# KiCad board omodri_laas.kicad_pcb (continued)
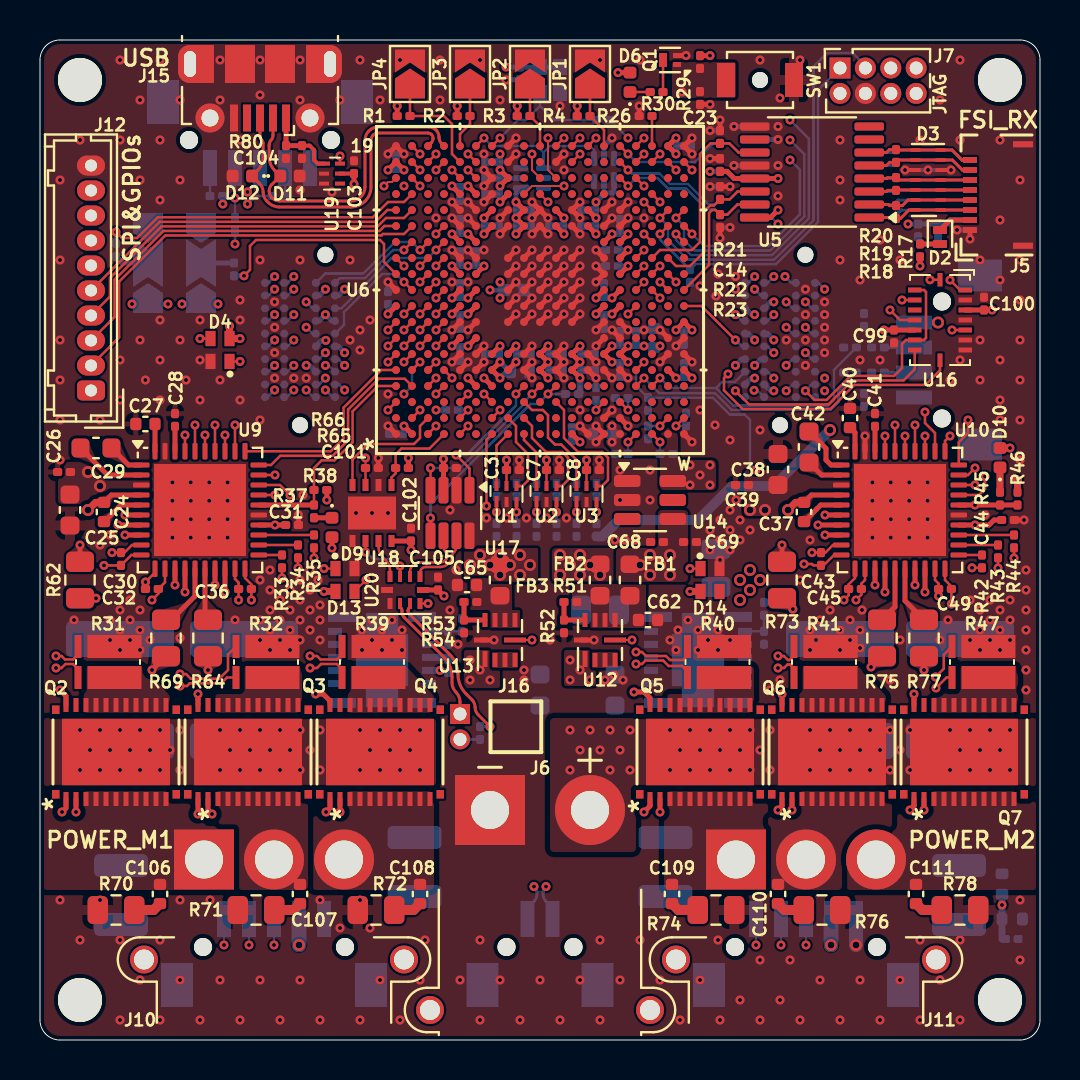
[diagram p0: board, top side]
## Routing (per net, layer and track width the routed paths; a pad name or vN(x,y) marks a point on that pad's centre or on a via; arc(x,y) is an arc through that point) (continued)
/OMODRI_GPIO/ESC_LED_LINK1_ACTIVE: length 14.8
  Top w0.125: U6.F17 v1(21.4,43.5)
  In4_sigCu w0.102: v1(21.4,43.5) 21.2,43.3 21.2,43.1 21,42.9 21,42.5 20.8,42.3 20.35,42.3 18.55,40.5 17.82,40.5 16.67,39.35 16.67,38.26 15.51,37.11 13.69,37.11 13.5,37.3 13.1,37.3 12.9,37.1 12.17,37.1 v1(11.73,37.54)
  Bottom w0.125: v1(11.73,37.54) 11.41,37.22 J9.A02
/OMODRI_GPIO/ESC_LED_RUN: length 12.8
  Top w0.125: U6.D18 v1(19.8,43.5)
  In4_sigCu w0.102: v1(19.8,43.5) 19.8,43.09 19.79,43.09 19.79,42.61 18.3,41.11 17.56,41.11 16.05,39.61 16.05,38.51 15.92,38.38 13.19,38.38 12.97,38.6 12.16,38.6 v1(11.73,38.17)
  Bottom w0.125: v1(11.73,38.17) 11.41,37.86 J9.A01
/OMODRI_GPIO/ESC_MDIO_CLK: length 6.8
  Top w0.125: U6.D13 v1(19.8,39.5)
  Bottom w0.125: v1(19.8,39.5) 19.4,39.1 17.58,39.1 15.07,36.59 J9.D03
/OMODRI_GPIO/ESC_MDIO_DATA: length 7.7
  Top w0.125: U6.A12 v1(18.2,38.7)
  In2_sig.Cu w0.102: v1(12.69,36.27) 13.36,36.27 14.19,37.1 15.51,37.1 16.92,38.5 18,38.5 v1(18.2,38.7)
  Bottom w0.125: v1(12.69,36.27) 12.37,35.95 J9.B04
/OMODRI_GPIO/ESC_PHY0_LINKSTATUS: length 9.7
  Top w0.125: v1(19.8,40.3) U6.D14
  In4_sigCu w0.102: v1(13.31,36.91) 15.6,36.91 16.87,38.18 16.87,39.27 17.9,40.3 v1(19.8,40.3)
  Bottom w0.125: v1(13.31,36.91) 13.63,36.59 J9.C03
/OMODRI_GPIO/ESC_PHY1_LINKSTATUS: length 23.4
  Top w0.125: U6.C18 v1(19.8,44.3)
  In4_sigCu w0.102: v1(19.8,44.3) 20.2,44.7 24.2,44.7 25,45.5 29.6,45.5 29.8,45.3 29.8,43.7 30.99,42.51 31.41,42.51 32.69,41.23 34.87,41.23 35.15,40.95 35.15,37.92 v1(34.77,37.54)
  Bottom w0.125: v1(34.77,37.54) 35.09,37.22 J8.A02
/OMODRI_GPIO/ESC_RX0_CLK: length 5.8
  Top w0.125: U6.A8 v1(17.4,35.5)
  In4_sigCu w0.102: v1(14.27,33.09) 15.54,33.09 16.8,34.35 16.8,35.2 16.9,35.3 17.2,35.3 v1(17.4,35.5)
  Bottom w0.125: J9.C09 13.95,32.78 v1(14.27,33.09)
/OMODRI_GPIO/ESC_RX0_D0: length 7.6
  Top w0.125: U6.C5 v1(19.8,33.9)
  In4_sigCu w0.102: v1(19.8,33.9) 19.42,33.52 16.82,33.52 15.42,32.12 14.65,32.12 v1(14.27,32.5)
  Bottom w0.125: J9.D10 14.63,32.14 v1(14.27,32.5)
/OMODRI_GPIO/ESC_RX0_D1: length 10.3
  Top w0.125: U6.D5 v1(20.6,33.1)
  In4_sigCu w0.102: v1(12.69,32.5) 13.18,32.01 13.52,32.01 13.81,31.72 15.59,31.72 16.99,33.12 18.87,33.12 19.29,32.7 20.2,32.7 v1(20.6,33.1)
  Bottom w0.125: J9.B10 12.33,32.14 v1(12.69,32.5)
/OMODRI_GPIO/ESC_RX0_D2: length 8.6
  Top w0.125: U6.C4 v1(19.8,33.1)
  In4_sigCu w0.102: v1(19.8,33.1) 19.2,33.1 18.98,33.32 16.91,33.32 15.51,31.92 13.89,31.92 v1(13.31,32.5)
  Bottom w0.125: J9.C10 13.67,32.14 v1(13.31,32.5)
/OMODRI_GPIO/ESC_RX0_D3: length 10.5
  Top w0.125: U6.D4 v1(19.8,32.3)
  In4_sigCu w0.102: v1(19.8,32.3) 19.4,32.3 18.79,32.91 17.08,32.91 15.68,31.51 13.72,31.51 13.43,31.8 12.43,31.8 v1(11.73,32.5)
  Bottom w0.125: J9.A10 11.37,32.14 v1(11.73,32.5)
/OMODRI_GPIO/ESC_RX0_DV: length 7.3
  Top w0.125: U6.D9 v1(19.8,36.3)
  In4_sigCu w0.102: v1(15.23,33.73) 15.88,33.73 16.59,34.44 16.59,35.29 16.7,35.39 16.7,35.4 17.2,35.9 19.4,35.9 v1(19.8,36.3)
  Bottom w0.125: v1(15.23,33.73) 14.91,34.05 J9.D07
/OMODRI_GPIO/ESC_RX0_ERR: length 5.8
  Top w0.125: v1(18.2,35.5) U6.B8
  In4_sigCu w0.102: v1(15.23,32.5) 17,34.27 17,34.92 17.18,35.1 17.6,35.1 17.8,35.3 18,35.3 v1(18.2,35.5)
  Bottom w0.125: v1(15.23,32.5) 14.95,32.78 J9.D09
/OMODRI_GPIO/ESC_RX1_CLK: length 11.8
  Top w0.125: U6.T18 v1(30.2,44.3)
  In4_sigCu w0.102: v1(35.73,37.54) 35.35,37.92 35.35,41.06 34.98,41.43 32.78,41.43 31.49,42.72 31.07,42.72 30.2,43.59 v1(30.2,44.3)
  Bottom w0.125: J8.B02 36.05,37.22 v1(35.73,37.54)
/OMODRI_GPIO/ESC_RX1_D0: length 18
  Top w0.125: U6.N19 v1(27.8,45.1)
  In4_sigCu w0.102: v1(27.8,45.1) 29,43.9 29,38.16 30.65,36.51 32.99,36.51 33.86,35.64 v1(37.31,35.64)
  Bottom w0.125: J8.C05 37.63,35.32 v1(37.31,35.64)
/OMODRI_GPIO/ESC_RX1_D1: length 18.4
  Top w0.125: U6.M19 v1(27,45.1)
  In4_sigCu w0.102: v1(36.69,34.36) 36.47,34.59 34.62,34.59 32.9,36.31 30.57,36.31 28.8,38.08 28.8,39.3 28.2,39.9 28.2,43.9 v1(27,45.1)
  Bottom w0.125: v1(36.69,34.36) 36.37,34.68 J8.B06
/OMODRI_GPIO/ESC_RX1_D2: length 20
  Top w0.125: v1(27,44.3) U6.M18
  In4_sigCu w0.102: v1(38.27,34.36) 37.34,34.36 36.93,33.96 36.45,33.96 36.02,34.39 34.54,34.39 32.82,36.1 30.48,36.1 28.59,37.99 28.59,38.71 28.2,39.1 27.6,39.1 27.4,39.3 27.4,43.9 v1(27,44.3)
  Bottom w0.125: v1(38.27,34.36) 38.59,34.05 J8.D07
/OMODRI_GPIO/ESC_RX1_D3: length 20.6
  Top w0.125: v1(26.2,45.1) U6.L19
  In4_sigCu w0.102: v1(26.2,45.1) 26.6,44.7 26.6,38.5 26.8,38.3 28,38.3 30.4,35.9 32.73,35.9 34.45,34.18 35.81,34.18 36.26,33.73 v1(37.31,33.73)
  Bottom w0.125: J8.C07 37.63,34.05 v1(37.31,33.73)
/OMODRI_GPIO/ESC_RX1_DV: length 14.9
  Top w0.125: U6.T17 v1(30.2,42.7)
  In4_sigCu w0.102: v1(38.27,36.91) 37.57,37.6 36.32,37.6 35.84,37.12 34.66,37.12 34.39,37.38 34.39,38.33 34.94,38.88 34.94,40.87 34.79,41.03 32.61,41.03 31.32,42.31 30.59,42.31 v1(30.2,42.7)
  Bottom w0.125: v1(38.27,36.91) 38.59,36.59 J8.D03
/OMODRI_GPIO/ESC_RX1_ERR: length 11.9
  Top w0.125: U6.T19 v1(30.2,45.1)
  In4_sigCu w0.102: v1(30.2,45.1) 30.6,44.7 30.6,43.48 31.16,42.92 31.58,42.92 32.86,41.64 35.08,41.64 35.55,41.17 35.55,38.87 35.73,38.69 v1(35.73,38.17)
  Bottom w0.125: v1(35.73,38.17) 35.41,37.86 J8.A01
/OMODRI_GPIO/ESC_TX0_CLK: length 5.8
  Top w0.125: U6.B10 v1(18.2,37.9)
  Bottom w0.125: J9.D05 15.2,35.77 15.2,36.4 17.1,38.3 17.8,38.3 v1(18.2,37.9)
/OMODRI_GPIO/ESC_TX0_D0: length 9.6
  Top w0.125: v1(19.8,37.9) U6.C10
  In4_sigCu w0.102: v1(19.8,37.9) 19.6,37.7 19.6,37.5 19.4,37.3 18.97,37.3 18.57,36.89 16.51,36.89 15.05,35.43 13.84,35.43 13.41,35 v1(12.69,35)
  Bottom w0.125: v1(12.69,35) 12.37,34.68 J9.B06
/OMODRI_GPIO/ESC_TX0_D1: length 10.6
  Top w0.125: v1(19.8,37.1) U6.D10
  In2_sig.Cu w0.102: v1(19.8,37.1) 16.7,37.1 15.34,35.74 14.15,35.74 12.91,34.5 12.5,34.5 v1(11.73,33.73)
  Bottom w0.125: J9.A08 11.41,33.41 v1(11.73,33.73)
/OMODRI_GPIO/ESC_TX0_D2: length 6.2
  Top w0.125: U6.B9 v1(18.2,36.3)
  In4_sigCu w0.102: v1(14.27,34.36) 16.59,36.69 17.81,36.69 v1(18.2,36.3)
  Bottom w0.125: v1(14.27,34.36) 13.95,34.05 J9.C07
/OMODRI_GPIO/ESC_TX0_D3: length 9.2
  Top w0.125: U6.C9 v1(19,36.3)
  In2_sig.Cu w0.102: v1(12.69,33.73) 13.06,34.1 13.06,34.36 14.24,35.54 15.44,35.54 16.8,36.9 18.4,36.9 v1(19,36.3)
  Bottom w0.125: J9.B08 12.37,33.41 v1(12.69,33.73)
/OMODRI_GPIO/ESC_TX0_ENA: length 9.3
  Top w0.125: v1(19.8,38.7) U6.D12
  In4_sigCu w0.102: v1(13.31,35.64) 14.96,35.64 16.43,37.1 18.49,37.1 18.91,37.52 19.22,37.52 19.4,37.7 19.4,38.3 v1(19.8,38.7)
  Bottom w0.125: J9.C05 13.63,35.32 v1(13.31,35.64)
/OMODRI_GPIO/ESC_TX1_CLK: length 5.3
  Top w0.125: U6.U10 v1(31,37.1)
  In4_sigCu w0.102: v1(34.77,36.27) 33.8,36.27 33.16,36.92 31.69,36.92 31.51,37.1 v1(31,37.1)
  Bottom w0.125: J8.A04 35.09,35.95 v1(34.77,36.27)
/OMODRI_GPIO/ESC_TX1_D0: length 7.5
  Top w0.125: U6.V10 v1(31,37.9)
  In4_sigCu w0.102: v1(31,37.9) 31.78,37.12 33.24,37.12 33.67,36.69 36.27,36.69 v1(36.69,36.27)
  Bottom w0.125: v1(36.69,36.27) 36.37,35.95 J8.B04
/OMODRI_GPIO/ESC_TX1_D1: length 11.9
  Top w0.125: U6.W18 v1(32.6,43.5)
  In4_sigCu w0.102: v1(39.23,37.54) 38.85,37.92 38.11,37.92 36.17,39.87 36.17,41.42 35.34,42.25 33.11,42.25 32.3,43.06 32.3,43.2 v1(32.6,43.5)
  Bottom w0.125: J8.D01 38.91,37.86 v1(39.23,37.54)
/OMODRI_GPIO/ESC_TX1_D2: length 10.1
  Top w0.125: U6.V18 v1(31.8,43.5)
  In4_sigCu w0.102: v1(37.25,38.17) 35.96,39.46 35.96,41.34 35.96,41.34 35.25,42.05 33.03,42.05 32.1,42.98 32.1,43.2 v1(31.8,43.5)
  Bottom w0.125: J8.C01 37.57,37.86 v1(37.25,38.17)
/OMODRI_GPIO/ESC_TX1_D3: length 11.2
  Top w0.125: v1(31,44.3) U6.U18
  In4_sigCu w0.102: v1(36.69,38.17) 35.76,39.11 35.76,41.25 35.17,41.84 32.94,41.84 31.66,43.12 31.24,43.12 31,43.37 v1(31,44.3)
  Bottom w0.125: v1(36.69,38.17) 36.37,37.86 J8.B01
/OMODRI_GPIO/ESC_TX1_ENA: length 10.8
  Top w0.102: U6.T10 v1(30.2,37.9)
  In4_sigCu w0.102: v1(38.27,35.64) 37.81,36.1 37.16,36.1 36.9,35.84 33.95,35.84 33.07,36.71 30.74,36.71 30.2,37.25 v1(30.2,37.9)
  Bottom w0.125: J8.D05 38.59,35.32 v1(38.27,35.64)
/OMODRI_GPIO/GPIO_SELECT_0: length 3.2
  Top w0.125: 27.5,47.58 R4.2 28.2,45.5 U6.P19
/OMODRI_GPIO/GPIO_SELECT_1: length 3.1
  Top w0.125: U6.K19 25,45.7 R3.2 24.5,47.58
/OMODRI_GPIO/GPIO_SELECT_2: length 3.1
  Top w0.125: U6.E19 21,45.3 21.5,45.8 R2.2 21.5,47.58
/OMODRI_GPIO/GPIO_SELECT_3: length 5.7
  Top w0.125: U6.E18 20.6,44.3 20.6,45.8 20.2,46.2 R1.2 18.5,47.58
/OMODRI_GPIO/IMU_GPIO_INT: length 18.3
  Top w0.125: U6.U16 v1(31,41.9) ; v1(45.5,38) 46,37.5 U16.1
  In2_sig.Cu w0.102: v1(45.5,38) 45.1,38 44.73,37.63 43.05,37.63 39.98,40.7 37.72,40.7 37.33,40.3 36.37,40.3 34.97,41.7 31.2,41.7 v1(31,41.9)
/OMODRI_GPIO/M1_Ia: length 27.6
  Top w0.125: U6.T1 v1(29.4,29.9) ; v1(13.7,24.1) R35.1
  In4_sigCu w0.125: v1(13.7,24.1) 12.34,24.1 10.8,25.64 10.8,28.7 11.2,29.1 14.7,29.1 15.35,29.75 26.25,29.75 26.5,29.5 29,29.5 v1(29.4,29.9)
  Bottom w0.125: C35.1 v1(29.4,29.9)
/OMODRI_GPIO/M1_Ib: length 30
  Top w0.125: U6.W2 v1(31.8,30.7) ; v1(12.9,23.6) R34.1
  In4_sigCu w0.125: v1(31.8,30.7) 31.4,30.3 26.6,30.3 26.27,29.97 15.25,29.97 14.61,29.33 11.11,29.33 10.57,28.79 10.57,25.55 12.25,23.87 12.63,23.87 v1(12.9,23.6)
  Bottom w0.125: C34.1 v1(31.8,30.7)
/OMODRI_GPIO/M1_Ic: length 26.7
  Top w0.125: U6.P3 v1(27.8,31.5) ; v1(12.1,23.1) R33.1
  In4_sigCu w0.125: v1(12.1,23.1) 12.1,23.7 10.35,25.45 10.35,28.89 11.01,29.55 14.51,29.55 15.16,30.2 25.7,30.2 26.6,31.1 27.4,31.1 v1(27.8,31.5)
  Bottom w0.125: 27.8,32.1 v1(27.8,31.5)
/OMODRI_GPIO/M1_PWM1_CHA: length 15.7
  Top w0.125: v1(19,35.5) U6.C8 ; v1(9.75,30.75) U9.32
  In2_sig.Cu w0.102: v1(9.75,30.75) 9.75,30.15 9.88,30.02 13.62,30.02 15.7,32.1 15.7,33.61 16.82,34.73 16.82,35.45 17.27,35.9 18.6,35.9 v1(19,35.5)
/OMODRI_GPIO/M1_PWM1_CHB: length 15.5
  Top w0.125: U6.D8 v1(19.8,35.5) ; U9.33 v1(9.25,30.25)
  In2_sig.Cu w0.102: v1(9.25,30.25) 9.69,29.81 13.7,29.81 15.9,32.02 15.9,33.53 17.02,34.64 17.02,34.85 17.27,35.1 19.4,35.1 v1(19.8,35.5)
/OMODRI_GPIO/M1_PWM2_CHA: length 14.4
  Top w0.102: 17.4,34.71 17.4,34.71
  Top w0.125: U6.A7 17.4,34.71 ; v1(8.75,30.75) U9.34
  In2_sig.Cu w0.102: v1(17.4,34.7) 17.2,34.5 17.17,34.5 16.11,33.44 16.11,31.93 13.79,29.61 9.18,29.61 8.75,30.04 v1(8.75,30.75)
/OMODRI_GPIO/M1_PWM2_CHB: length 14.8
  Top w0.125: U6.B7 v1(18.2,34.7) ; U9.35 v1(8.25,30.25)
  In2_sig.Cu w0.102: v1(18.2,34.7) 17.8,34.3 17.25,34.3 16.31,33.36 16.31,31.85 13.87,29.41 9.09,29.41 8.71,29.79 v1(8.25,30.25)
/OMODRI_GPIO/M1_PWM3_CHA: length 17.7
  Top w0.125: v1(7.75,30.75) U9.36 ; U6.C7 v1(19,34.7)
  In2_sig.Cu w0.102: v1(19,34.7) 18.6,34.3 18.6,33.7 18.4,33.5 16.8,33.5 16.51,33.21 16.51,31.76 13.95,29.2 8.58,29.2 7.75,30.04 v1(7.75,30.75)
/OMODRI_GPIO/M1_PWM3_CHB: length 18
  Top w0.125: U9.37 v1(7.25,30.25) ; U6.D7 v1(19.8,34.7)
  In2_sig.Cu w0.102: v1(7.25,30.25) 8.5,29 14.04,29 16.72,31.68 16.72,33.13 16.88,33.3 19,33.3 19.4,33.7 19.4,34.3 v1(19.8,34.7)
/OMODRI_GPIO/M1_Vbus: length 48
  Top w0.125: U6.T5 v1(30.2,33.9)
  In4_sigCu w0.125: v1(35.8,28.5) 36.2,28.5 36.37,28.67 44.88,28.67 45.25,28.3 45.25,23.65 46.15,22.75 48.5,22.75 48.9,22.35 48.9,16.9 49.3,16.5 49.3,7.95 v1(48.1,6.75)
  Bottom w0.125: v1(35.8,28.5) 35.5,28.8 35.5,31 35.23,31.27 34.49,31.27 33.64,32.12 C19.1 29.8,32.72 U6.T5 v1(30.2,33.9)
  Bottom w0.35: 48.1,5.05 R25.1 v1(48.1,6.75) R24.2
/OMODRI_GPIO/M2_Ia: length 26
  Top w0.125: R44.1 v1(48.7,24.1) ; U6.U1 v1(31,29.9)
  In4_sigCu w0.125: v1(48.7,24.1) 48.7,23.2 48.47,22.97 46.25,22.97 45.48,23.74 45.48,28.39 44.97,28.9 34.08,28.9 33.48,29.5 31.4,29.5 v1(31,29.9)
  Bottom w0.125: C48.1 v1(31,29.9)
/OMODRI_GPIO/M2_Ib: length 24.9
  Top w0.125: R43.1 v1(47.9,23.6) ; v1(31,30.7) U6.V2
  In4_sigCu w0.125: v1(47.9,23.6) 47.5,23.2 46.34,23.2 45.7,23.84 45.7,28.49 45.07,29.13 34.17,29.13 32.2,31.1 U6.V2 v1(31,30.7)
  Bottom w0.125: v1(31,30.7) C47.1
/OMODRI_GPIO/M2_Ic: length 24.7
  Top w0.125: U6.R3 v1(29.4,31.5) ; R42.1 v1(46.6,23.61)
  In4_sigCu w0.125: v1(29.4,31.5) 32.12,31.5 34.27,29.35 45.16,29.35 45.93,28.58 45.93,24.28 v1(46.6,23.61)
  Bottom w0.125: v1(29.4,31.5) C46.1
/OMODRI_GPIO/M2_PWM1_CHA: length 32.8
  Top w0.125: U6.A6 v1(17.4,33.9) ; v1(44.25,31.4) 44.25,30.85 44.75,30.35 U10.32
  In4_sigCu w0.102: v1(17.4,33.9) U6.A6 17.8,34.9 18,35.1 32.79,35.1 33.75,34.14 33.75,32.8 34.5,32.05 43.6,32.05 v1(44.25,31.4)
/OMODRI_GPIO/M2_PWM1_CHB: length 30.4
  Top w0.102: 18.21,33.91 18.19,33.91
  Top w0.125: U10.33 v1(44.25,30.2) ; U6.B6 18.21,33.91
  In4_sigCu w0.102: v1(18.2,33.9) U6.B6 33.3,34.3 33.55,34.05 33.55,32.71 34.41,31.85 43.25,31.85 44.25,30.85 v1(44.25,30.2)
/OMODRI_GPIO/M2_PWM2_CHA: length 24.1
  Top w0.125: U6.G2 v1(23,31.5) ; v1(43.75,30.75) U10.34
  In4_sigCu w0.102: v1(23,31.5) 23.19,31.31 25.15,31.31 26.55,32.7 33.27,32.7 33.39,32.58 34.33,31.64 42.86,31.64 v1(43.75,30.75)
/OMODRI_GPIO/M2_PWM2_CHB: length 25.3
  Top w0.125: v1(22.2,32.3) U6.G3 ; v1(43.25,30.2) U10.35
  In4_sigCu w0.102: v1(43.25,30.2) 43.25,30.96 42.77,31.44 34.25,31.44 33.19,32.5 26.63,32.5 25.24,31.1 22.68,31.1 22.2,31.59 v1(22.2,32.3)
/OMODRI_GPIO/M2_PWM3_CHA: length 28.4
  Top w0.125: v1(19,31.5) U6.B2 ; U10.36 v1(42.75,30.75)
  In4_sigCu w0.102: v1(42.75,30.75) 42.04,30.75 41.55,31.24 38.54,31.24 37.34,30.04 35.36,30.04 33.11,32.29 26.72,32.29 25.32,30.9 22.6,30.9 21.6,31.9 19.4,31.9 v1(19,31.5)
/OMODRI_GPIO/M2_PWM3_CHB: length 26.5
  Top w0.125: U10.37 v1(42.25,30.2) ; U6.C1 v1(19.8,30.7)
  In4_sigCu w0.102: v1(19.8,30.7) 20.2,31.1 22.11,31.1 22.52,30.7 25.41,30.7 26.8,32.09 33.02,32.09 35.27,29.84 37.42,29.84 38.62,31.03 41.42,31.03 v1(42.25,30.2)
/OMODRI_GPIO/WS2812B_CMD_SIMO: length 13.3
  Top w0.102: D4.1 v1(10,33.93)
  Top w0.125: U6.B5 v1(19,33.9)
  In4_sigCu w0.102: v1(18.2,32.3) 17.79,32.71 17.16,32.71 15.76,31.31 13.64,31.31 13.35,31.6 11.95,31.6 11.2,32.35 11.2,32.73 v1(10,33.93)
  Bottom w0.125: v1(18.2,32.3) 18.6,32.7 U6.B5 v1(19,33.9)
/OMODRI_GPIO/~{DBG_SPI_CSn}: length 45.6
  Top w0.125: U6.T9 v1(29.4,36.3)
  In2_sig.Cu w0.102: v1(37.31,32.46) 36.85,32 34.5,32 33.7,32.8 33.7,35.48 33.08,36.1 29.6,36.1 v1(29.4,36.3) 29.2,36.5 29.2,37.6 28.59,38.21 28.59,38.71 28.2,39.1 20.4,39.1 20.2,39.3 20.2,41.7 19.8,42.1 18.8,42.1 v1(18.2,42.7)
  In4_sigCu w0.102: 2.55,39.98 4.38,39.98 4.9,40.5 15.84,40.5 17.84,42.5 18,42.5 v1(18.2,42.7)
  Bottom w0.125: v1(37.31,32.46) 37.63,32.78 J8.C09
/OMODRI_GPIO/~{DRV1_GPIO_CSn}: length 10.5
  Top w0.125: U6.B4 18.24,33.06 16.94,33.06 15.4,31.52 15.4,29.98 14.63,29.21 12.01,29.21 11.55,28.75 U9.30
/OMODRI_GPIO/~{DRV1_GPIO_FAULTn}: length 11.3
  Top w0.125: R37.1 13.7,28.6 14.08,28.98 14.73,28.98 15.63,29.89 15.63,31.43 16.9,32.7 U6.A4
  Top w0.25: U9.26 R37.1
/OMODRI_GPIO/~{DRV2_GPIO_CSn}: length 25.9
  Top w0.125: U10.30 45.94,29.89 46.4,30.35 v1(46.4,31) ; v1(30.2,38.7) U6.T11
  In2_sig.Cu w0.102: v1(46.4,31) 46.4,31.41 45.71,32.1 40.7,32.1 40.2,32.6 40.2,37.62 39.51,38.3 37.95,38.3 37.35,38.9 31.33,38.9 31.16,39.08 30.58,39.08 v1(30.2,38.7)
/OMODRI_GPIO/~{DRV2_GPIO_FAULTn}: length 31.7
  Top w0.125: U6.T12 v1(30.2,39.5)
  Top w0.25: R46.1 R45.1 v1(46.75,26.75) U10.26
  In2_sig.Cu w0.102: v1(30.2,39.5) 31.02,39.5 31.41,39.11 37.43,39.11 38.03,38.51 39.59,38.51 40.4,37.7 40.4,32.7 40.79,32.31 45.79,32.31 46.78,31.32 46.78,29.32 47.63,28.47 47.63,27.63 v1(46.75,26.75)
/OMODRI_GPIO/~{ESC_PHY_RESETn}: length 9.8
  Top w0.125: U6.C12 v1(19,38.7)
  In2_sig.Cu w0.102: v1(19,38.7) 18.6,38.3 17,38.3 15.6,36.9 14.27,36.9 13.44,36.07 13.12,36.07 12.85,35.8 12.5,35.8 12.03,36.27 v1(11.73,36.27)
  Bottom w0.125: v1(11.73,36.27) 11.41,35.95 J9.A04
/OMODRI_GPIO/~{IMU_GPIO_SPI_ACCEL_CSn}: length 16.6
  Top w0.125: U16.14 v1(43.1,37) ; U6.U13 v1(30.2,40.3)
  In2_sig.Cu w0.102: v1(30.2,40.3) 30.6,40.7 32.2,40.7 32.8,41.3 34.8,41.3 36.2,39.9 37.5,39.9 37.89,40.29 39.81,40.29 v1(43.1,37)
/OMODRI_GPIO/~{IMU_GPIO_SPI_GYRO_CSn}: length 20.8
  Top w0.102: U6.U15 30.5,41.6
  Top w0.125: U16.5 v1(45.6,35.5) ; 30.5,41.6 v1(30.2,41.9)
  In2_sig.Cu w0.102: v1(30.2,41.9) U6.U15 34.89,41.5 36.29,40.1 37.41,40.1 37.81,40.5 39.89,40.5 42.97,37.42 43.98,37.42 44.3,37.1 44.3,35.56 44.66,35.2 45.3,35.2 v1(45.6,35.5)
/OMODRI_IMU_DBG/BOOT_0: length 1.7
  Bottom w0.25: JP5.2 R59.1
/OMODRI_IMU_DBG/BOOT_1: length 1.7
  Bottom w0.25: R60.1 4.13,38.85 JP6.2
/OMODRI_IMU_DBG/IMU_SYNC: length 5
  Top w0.125: v1(42.5,36.5) 43,36 U16.12 ; U16.16 v1(44.5,38.01)
  In4_sigCu w0.102: v1(44.5,38.01) 44,37.51 44,36.9 43.6,36.5 v1(42.5,36.5)
  In4_sigCu w0.125: 44.41,38.01 v1(44.5,38.01)
/OMODRI_LED_dbg/M1_Led_status: length 19.1
  Top w0.102: D13.1 v1(14.2,23.57) ; D4.3 v1(8,35.07)
  In2_sig.Cu w0.102: v1(8,35.07) 6.83,33.9 6.83,30.08 8.1,28.8 10.7,28.8 11,28.5 11,25.1 11.4,24.7 13.8,24.7 14.2,24.3 v1(14.2,23.57)
/OMODRI_LED_dbg/M2_Led_Status: length 19.8
  Top w0.102: D14.1 v1(32.5,23.57) ; D13.3 16.3,23 v1(16.3,23)
  In4_sigCu w0.102: v1(16.3,23) 18.6,20.7 29.63,20.7 v1(32.5,23.57) ; 32.38,23.45 32.5,23.45
/OMODRI_QuadEncod/ENC1_A: length 37.3
  Top w0.125: U1.1 v1(22.83,26.4)
  In2_sig.Cu w0.125: v1(22.83,26.4) 22.83,25.67 23.5,25 24.16,25 25,24.16 25,22.9 23.3,21.2 23.3,14.34 23.11,14.15 20.35,14.15 19.75,13.55 19.75,10.07 16.13,6.45 10.9,6.45 v1(9.2,4.75)
  Bottom w0.125: J3.1 v1(9.2,4.75) ; R12.2 v1(22.83,26.4) C11.1
/OMODRI_QuadEncod/ENC1_B: length 35.6
  Top w0.125: U1.3 v1(23.83,26.4)
  In2_sig.Cu w0.125: v1(10.45,4.75) 11.93,6.23 16.23,6.23 19.97,9.97 19.97,13.45 20.45,13.93 23.21,13.93 23.53,14.25 23.53,21.11 25.23,22.81 25.23,24.25 23.83,25.65 v1(23.83,26.4)
  Bottom w0.125: C10.1 v1(23.83,26.4) R11.2 ; J3.2 v1(10.45,4.75)
/OMODRI_QuadEncod/ENC1_I: length 34.4
  Top w0.125: U2.1 v1(24.83,26.4)
  In2_sig.Cu w0.125: v1(11.7,4.75) 12.95,6 16.32,6 20.2,9.88 20.2,13.36 20.54,13.7 23.3,13.7 23.75,14.15 23.75,21.01 25.45,22.71 25.45,24.35 24.83,24.97 v1(24.83,26.4)
  Bottom w0.125: R10.2 v1(24.83,26.4) C9.1 ; J3.3 v1(11.7,4.75)
/OMODRI_QuadEncod/ENC2_A: length 30.1
  Top w0.125: U2.3 v1(25.83,26.4)
  In2_sig.Cu w0.125: v1(35.8,4.75) 34.5,6.05 33.15,6.05 32,7.2 32,11.3 30.3,13 30.3,21.86 27.16,25 26.5,25 25.83,25.67 v1(25.83,26.4)
  Bottom w0.125: J2.1 v1(35.8,4.75) ; R9.2 v1(25.83,26.4) C6.1
/OMODRI_QuadEncod/ENC2_B: length 30.4
  Top w0.125: U3.1 v1(26.83,26.4)
  In2_sig.Cu w0.125: v1(26.83,26.4) 26.83,25.65 30.53,21.95 30.53,13.09 32.23,11.39 32.23,7.29 33.25,6.27 35.53,6.27 v1(37.05,4.75)
  Bottom w0.125: C5.1 v1(26.83,26.4) R8.2 ; J2.2 v1(37.05,4.75)
/OMODRI_QuadEncod/ENC2_I: length 31
  Top w0.125: U3.3 v1(27.83,26.4)
  In2_sig.Cu w0.125: v1(38.3,4.75) 36.55,6.5 33.34,6.5 32.45,7.39 32.45,11.49 30.75,13.19 30.75,22.05 27.83,24.97 v1(27.83,26.4)
  Bottom w0.125: J2.3 v1(38.3,4.75) ; R7.2 v1(27.83,26.4) C4.1
/Power distribution/OMODRI_Alim_1V2/FB_1V2: length 2
  Top w0.25: U13.9 R54.1 R53.2
/Power distribution/OMODRI_Alim_1V2/PG_5V0: length 14.6
  Top w0.102: U13.5 v1(24.6,20) ; U12.5 v1(29.6,20)
  In4_sigCu w0.102: v1(20,18.48) 20,19.95 20.55,20.5 24.1,20.5 v1(24.6,20) 25.1,20.5 29.1,20.5 v1(29.6,20)
  Bottom w0.102: R49.1 20.1,18.38 v1(20,18.48) U11.12
/Power distribution/OMODRI_Alim_3V3/FB_3V3: length 2
  Top w0.25: U12.9 R52.1 R51.2
/Power distribution/OMODRI_Alim_5V/FB_5V0: length 1.6
  Bottom w0.125: U11.9 R50.2 R48.2
/Power distribution/OMODRI_Alim_12V/FB_12V0: length 1.8
  Bottom w0.125: U15.9 R58.2 R57.2
REF_3V0_BUF: length 44.6
  Top w0.25: U6.W5 v1(32.6,33.1) ; C31.1 v1(11.75,25.75) U9.24 ; U6.V5 v1(31.8,33.1) ; U10.24 v1(46.75,25.75) 47.45,25.75 47.7,26 C44.1
  In4_sigCu w0.5: v1(32.5,27.75) 20.05,27.75 17.83,25.53 11.97,25.53 v1(11.75,25.75)
  In5._PWRCu w0.5: v1(46.75,25.75) 46,26.5 46,28.9 45.5,29.4 34.15,29.4 v1(33.5,28.75)
  Bottom w0.25: v1(32.6,33.1) 32.28,33.1 C71.1 32.12,33.1 v1(31.8,33.1) ; v1(28.6,30.7) C70.1 v1(28.6,29.9)
  vias: v1(32.5,28.75) v1(33,28.25) v1(33.5,27.75)
VPOWER: length 5.9
  Top w0.25: U10.4 38.57,27.25 C37.1 ; C24.1 3.57,27.25 U9.4
  Top w0.35: C37.1 37.78,26.88 v2(37.4,26.5) ; C24.1 2.78,26.88 v2(2.4,26.5)
  vias: v1(2,15.5) v1(2,13.5) v1(2.5,14.5) v1(3,15.5) v1(3,13.5) v1(3.5,14.5) v1(4,15.5) v1(4,13.5) v1(4.5,14.5) v1(5,15.5) v1(5,13.5) v1(5.5,14.5) v1(6,15.5) v1(6,13.5) v1(6.5,14.5) v1(7,15.5) v1(7,13.5) v1(9,15.5) v1(9,13.5) v1(9.5,14.5) v1(10,15.5) v1(10,13.5) v1(10.5,14.5) v1(11,15.5) v1(11,13.5) v1(11.5,14.5) v1(12,15.5) v1(12,13.5) v1(12.5,14.5) v1(13,15.5) v1(13,13.5) v1(13.5,14.5) v1(14,15.5) v1(14,13.5) v1(16,15.5) v1(16,13.5) v1(16.5,14.5) v1(17,15.5) v1(17,13.5) v1(17.5,14.5) v1(18,15.5) v1(18,13.5) v1(18.5,14.5) v1(19,15.5) v1(19,13.5) v1(26.5,15.5) v1(26.5,13.5) v1(27,14.5) v1(27.5,15.5) v1(28,14.5) v1(28.5,15.5) v1(28.5,13.5) v1(29,14.5) v1(29.5,15.5) v1(29.5,13.5) v1(31.5,15.5) v1(31.5,13.5) v1(32,14.5) v1(32.5,15.5) v1(32.5,13.5) v1(33,14.5) v1(33.5,15.5) v1(33.5,13.5) v1(34,14.5) v1(34.5,15.5) v1(34.5,13.5) v1(35,14.5) v1(35.5,15.5) v1(35.5,13.5) v1(36,14.5) v1(36.5,15.5) v1(36.5,13.5) v1(38.5,15.5) v1(38.5,13.5) v1(39,14.5) v1(39.5,15.5) v1(39.5,13.5) v1(40,14.5) v1(40.5,15.5) v1(40.5,13.5) v1(41,14.5) v1(41.5,15.5) v1(41.5,13.5) v1(42,14.5) v1(42.5,15.5) v1(42.5,13.5) v1(43,14.5) v1(43.5,15.5) v1(43.5,13.5) v1(45.5,15.5) v1(45.5,13.5) v1(46,14.5) v1(46.5,15.5) v1(46.5,13.5) v1(47,14.5) v1(47.5,15.5) v1(47.5,13.5) v1(48,14.5) v1(48.5,15.5) v1(48.5,13.5)
Net-(C106-Pad1): length 1.4
  Top w0.5: R70.2 5.68,6.5 C106.1
Net-(C107-Pad1): length 1.4
  Top w0.5: C107.1 12.68,6.5 R71.2
Net-(C108-Pad1): length 1.4
  Top w0.5: C108.1 18.68,6.5 R72.2
Net-(C109-Pad1): length 1.4
  Top w0.5: C109.1 31.92,6.5 R74.2
Net-(C110-Pad1): length 1.4
  Top w0.5: R76.2 37.22,6.5 C110.1
Net-(C111-Pad1): length 1.4
  Top w0.5: C111.1 44.12,6.5 R78.2
Net-(D2-A): length 1
  Top w0.25: R17.1 D2.2
Net-(D2-K): length 1.7
  Top w0.25: J5.2 45.5,41 D2.1
Net-(D6-K): length 1
  Top w0.125: R30.1 D6.1
Net-(D9-K): length 0.9
  Top w0.25: D9.1 R37.2
Net-(D10-K): length 1.2
  Top w0.35: R45.2 D10.1
Net-(J16-Pin_2): length 1
  Bottom w0.15: R63.2 J16.2
Net-(Q1-D): length 1.6
  Top w0.125: Q1.3 R30.2

## Copper pours and planes (outline as drawn; the poured copper is in the pictures)
5V0 on Top: 27.5,18.5 27.8,18.5 27.8,17.7 26.2,17.7 26.2,19.5 27.5,19.5
5V0 on Top: 22.5,18.5 23,18.5 23,17.6 21.2,17.6 21.2,19.5 22.5,19.5
5V0 on Bottom: 39.7,31.8 37.4,31.8 37.4,32.6 38.9,32.6 38.9,33.4 39.7,33.4
5V0 on Bottom: 28,17.7 20.8,17.7 20.8,20.75 14.35,20.75 14.35,23.2 22.5,23.2 22.5,25.5 28,25.5
5V0 on In2_sig.Cu: 40,29.9 39,29.9 39,33.5 40,33.5
12V0 on Top: 40.5,26.2 35.2,26.2 35.2,28.5 40.5,28.5
12V0 on Top: 1.2,28.9 5.5,28.9 5.5,26.8 0.9,26.8 0.9,28.1 1.2,28.1
12V0 on Bottom: 36.6,20.85 30.1,20.85 30.1,23.3 36.6,23.3
12V0 on In5._PWRCu: 12.2,20 34.5,20 34.5,24.1 35.8,24.1 35.8,26 35.2,26 35.2,27 36.7,27 36.7,16.4 5.8,16.4 5.8,27.3 0,27.3 0,29 12.2,29
/Power distribution/OMODRI_Alim_1V2/1V2 on Top: 21.5,21.5 22.4,21.5 22.4,20.6 24,20.6 24,21.5 23.6,21.5 23.6,22.8 22.4,22.8 22.4,23.1 21.5,23.1
/Power distribution/OMODRI_Alim_3V3/3V3 on Top: 26.6,21.5 27.4,21.5 27.4,20.6 30.3,20.6 30.3,22.8 26.6,22.8
GND on Top, Bottom, In1_GND.Cu, In2_sig.Cu, In3_GND.Cu, In4_sigCu, In6_GND.Cu: 50,0 0,0 0,50 50,50
GND on In5._PWRCu: 0,0 50,0 50,16 0,16
VDD_1V2 on Top: 21.2,22.9 24.9,22.9 24.9,24.6 21.2,24.6
VDD_1V2 on In5._PWRCu: 25.4,39.5 27.8,39.5 28.2,39.9 28.2,40.7 29.8,40.7 29.8,39.9 29,39.9 29,36.7 27.4,36.7 26.2,35.5 26.2,29.5 22.5,29.5 22.5,25 24.9,25 24.9,22.75 21,22.75 21,30 22,31 24.6,31 24.6,34.7 23.8,35.5 20.6,35.5 20.2,35.9 20.2,36.7 21.8,36.7 21.8,37.9 20.6,37.9 20.2,38.3 20.2,39.1 20.6,39.5 21.8,39.5 21.8,41.5 23.4,41.5 23.4,42.3 25.4,42.3
VDD_3V3 on Top: 28.7,24.6 25.6,24.6 25.6,22.9 28.7,22.9
VDD_3V3 on In5._PWRCu: 50,16.4 40.3,16.4 40.3,27.3 35,27.3 33.5,25.5 33.5,24.5 34.2,23.8 34.2,20.3 12.2,20.3 12.2,29 0,29 0,50 50,50
VDDA_3V3 on Top: 32.4,26.5 30.9,26.5 30.9,24.6 28.8,24.6 28.8,22.9 32.4,22.9
VDDA_3V3 on In5._PWRCu: 31.9,29.2 31.9,22.9 28.6,22.9 28.6,32.3 27.8,32.3 27.8,35.1 34.3,35.1 34.3,32.1 44,32.1 44,37 45.5,37 45.5,29.8 33,29.8 33,33.5 31.4,33.5 31.4,29.2
/JTAG + CLOCK + RESET/~{XRSn} on Top: 34.8,47.1 31.6,47.1 31.6,48.9 34.8,48.9
/OMODRI_driver_M1/MOTOR_CH1 on Top: 9.8,10.7 9.8,7.5 0,7.5 0,12.7 8.2,12.7 8.2,10.7
/OMODRI_driver_M1/MOTOR_CH2 on Top: 13.4,7.5 9.8,7.5 9.8,10.7 8.2,10.7 8.2,12.7 13.4,12.7
/OMODRI_driver_M1/MOTOR_CH3 on Top: 19.7,7.5 13.4,7.5 13.4,12.7 19.7,12.7
/OMODRI_driver_M1/OUT_M1_CH1 on Top: 6.49,17.2 6.49,16.1 2.19,16.1 2.19,18.7 5.2,18.7
/OMODRI_driver_M1/OUT_M1_CH2 on Top: 13.1,18.7 13.1,16.1 8.7,16.1 8.7,17.3 10.1,17.3 10.1,18.7
/OMODRI_driver_M1/OUT_M1_CH3 on Top: 19.7,17.2 19.7,16.1 15.4,16.1 15.4,18.7 18.3,18.7
/OMODRI_driver_M2/MOTOR_CH1 on Top: 36.4,7.5 31.2,7.5 31.2,12.7 36.4,12.7
/OMODRI_driver_M2/MOTOR_CH2 on Top: 40.1,9.1 40.1,7.5 36.4,7.5 36.4,12.7 42.6,12.7 42.6,9.1
/OMODRI_driver_M2/MOTOR_CH3 on Top: 50,7.5 40.1,7.5 40.1,9.1 42.6,9.1 42.6,12.7 50,12.7
/OMODRI_driver_M2/OUT_M1_CH1 on Top: 35.7,18.7 35.7,16.1 31.2,16.1 31.2,17.3 32.6,17.3 32.6,18.7
/OMODRI_driver_M2/OUT_M1_CH2 on Top: 40.9,18.7 42.3,17.2 42.3,16.1 37.9,16.1 37.9,18.7
/OMODRI_driver_M2/OUT_M1_CH3 on Top: 46,18.7 48.9,18.7 48.9,16.1 44.5,16.1 44.5,17.4 46,17.4
/OMODRI_GPIO/ANALOG_IN1 on Bottom: 41.8,32.1 40.6,32.1 40.6,33.6 41.8,33.6
/OMODRI_GPIO/ANALOG_IN2 on Bottom: 41.8,34.4 40.6,34.4 40.6,35.9 41.8,35.9
/Power distribution/OMODRI_Alim_1V2/SW on Top: 22.6,18.6 23.9,18.6 23.9,19.4 22.6,19.4
/Power distribution/OMODRI_Alim_3V3/SW on Top: 27.6,18.6 28.9,18.6 28.9,19.4 27.6,19.4
REF_3V0_BUF on Top: 33.8,29 31.9,29 31.9,30.6 29,30.6 29,31 28.3,31 28.3,29.8 28.9,29.2 31,29.2 31,27.5 33.8,27.5
REF_3V0_BUF on In5._PWRCu: 33,29.8 34,29.8 34,27.5 31.4,27.5 31.4,33.5 33,33.5
VPOWER on Top: 50,12.7 29.8,12.7 29.8,9.4 25.5,9.4 25.5,16.1 50,16.1
VPOWER on Top: 19.8,12.7 0,12.7 0,16.1 19.8,16.1
VPOWER on Bottom: 15.4,18 15.4,17.4 30.1,17.4 30.1,18 31.1,18 31.1,17.3 36.5,17.3 36.5,16.1 50,16.1 50,8 0,8 0,18
VPOWER on In5._PWRCu: 50,7.6 0,7.6 0,27 5.5,27 5.5,16.1 37,16.1 37,27 40,27 40,16.1 50,16.1

Small or netless copper shapes (teardrops, artwork), in the pictures only: 22 on Top

## Text on the board
B.Silkscreen: µOMODRI  V3.3 | MOSI | ~{CS} | CLK | MISO | GND | GND / +5V0 / QE1_I / QE1_B / QE1_A | GND / +5V0 / QE2_I / QE2_B / QE2_A | Q_Enc1 | Q_Enc2 | ANALOG_IN | FSI_TX | COM_SPI | CAN/RS-485 / L/B | H/A
F.Silkscreen: JTAG | POWER_M1 | POWER_M2 | FSI_RX | USB | SPI&GPIOs
